# KiCad board N2360.kicad_pcb (continued)
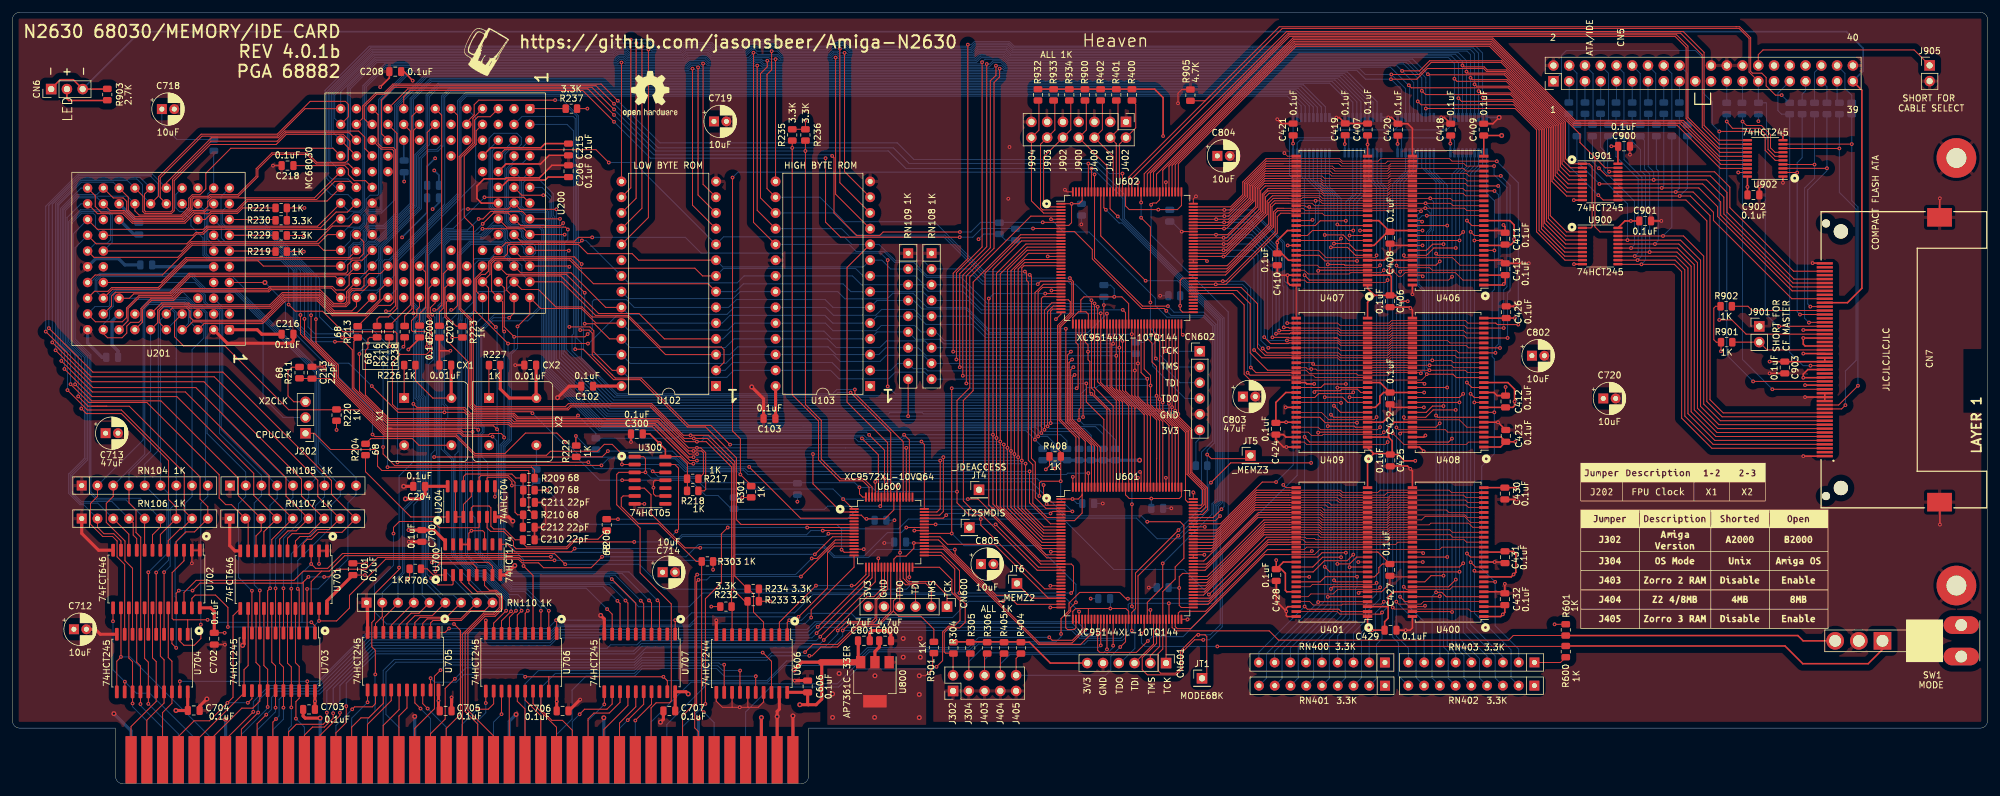
[diagram p0: board, top side]
## Routing (per net, layer and track width the routed paths; a pad name or vN(x,y) marks a point on that pad's centre or on a via; arc(x,y) is an arc through that point) (continued)
A3: length 281.9
  Top w0.15: v1(48.92,74.95) 48.92,71.16 52.52,67.56 52.52,65.5 60.29,57.74 77.56,57.74 v1(78.12,57.17) ; U102.8 111.24,81.93 110,83.18 91.58,83.18 90.01,84.74 77.68,84.74 76.98,84.04 76.98,82.18 U200.47 76.75,80 76.75,74.85 v1(77.92,73.68) ; v1(96.6,33) 100.48,29.13 U707.6 ; v1(174.92,76.95) U602.45 174.92,64.85 177.92,61.85 U601.130
  Bottom w0.15: U102.8 114.6,83.12 135.91,83.12 137.1,81.93 U103.8 145.5,81.93 146.92,80.51 RN108.3 153.09,80.51 156.65,76.95 v1(174.92,76.95) ; v1(77.92,73.68) 78.12,73.48 v1(78.12,57.17) 78.35,56.94 78.35,35.19 80.15,33.39 96.22,33.39 v1(96.6,33) ; U201.49 33.88,92.47 33.88,90.41 34.37,89.93 40.74,89.93 48.92,81.75 v1(48.92,74.95)
A4: length 280.6
  Top w0.15: v1(46.42,75.63) 46.42,72.55 51.73,67.24 51.73,65.15 60.05,56.83 72.22,56.83 72.78,56.27 76.77,56.27 77,56.5 78.77,56.5 79.25,56.03 v1(79.25,55.85) ; U601.129 178.42,61.72 175.42,64.72 U602.46 v1(175.42,75.9) ; U102.7 112.13,80.67 93.65,80.67 89.84,84.48 77.79,84.48 77.24,83.94 77.24,79.51 U200.39 79.01,77.74 79.01,73.21 v1(79.27,72.95) ; U707.5 101.75,29.05 v1(101.27,29.53)
  Bottom w0.15: U102.7 116.56,79.39 117.82,80.65 133.89,80.65 135.15,79.39 U103.7 146.73,79.39 RN108.4 154.09,77.97 156.16,75.9 v1(175.42,75.9) ; v1(101.27,29.53) 97.16,33.65 80.26,33.65 78.61,35.3 78.61,54.67 79.25,55.31 79.25,72.93 v1(79.27,72.95) ; v1(46.42,75.63) 46.42,82.78 42.02,87.18 33.75,87.18 32.44,88.49
A5: length 215.3
  Top w0.15: U200.38 79.27,80.02 79.27,73.7 v1(80.87,72.1) 92.27,72.1 v1(92.71,72.54) ; v1(176.42,75.85) U602.48 176.42,64.09 178.92,61.59 U601.128 ; v1(103.97,29.57) 104.29,29.25 U707.3
  Bottom w0.15: v1(92.71,72.54) 93.47,73.3 93.47,77.8 93.77,78.1 98.97,78.1 100.22,76.85 U102.6 115.44,76.85 116.69,78.11 131,78.11 132.25,76.85 U103.6 139.37,77.97 RN109.4 145.26,77.97 146.64,76.59 153.71,76.59 157.51,72.79 173.36,72.79 v1(176.42,75.85) ; v1(80.87,72.1) 80.87,70.1 80.18,69.41 80.18,55.52 79.13,54.46 79.13,35.51 80.48,34.16 99.38,34.16 v1(103.97,29.57)
A6: length 212.9
  Top w0.15: U601.126 179.92,60.95 176.92,63.95 v1(176.92,71.98) U602.49 ; U707.4 103.02,29.15 v1(102.61,29.56) ; v1(92.76,71.01) v1(79.88,71.01) 74.57,76.33 74.57,81.51 75.77,82.72 U200.46
  Bottom w0.15: v1(79.88,71.01) 79.88,55.58 78.87,54.57 78.87,35.41 80.37,33.9 98.27,33.9 v1(102.61,29.56) ; 176.91,71.99 156.83,71.99 154.72,74.1 147.26,74.1 145.94,75.43 RN109.5 139.37,75.43 U103.5 132.23,74.31 130.98,75.57 115.65,75.57 114.4,74.31 U102.5 100.26,74.31 99.07,75.5 97.37,75.5 92.88,71.01 v1(92.76,71.01)
A7: length 213.3
  Top w0.15: U102.4 105.08,71.77 100.99,75.87 94.48,75.87 88.42,81.93 79.96,81.93 79.67,81.64 79.67,79.62 U200.26 80.85,75.96 v1(80.07,75.18) ; U707.7 99.21,29.15 v1(98.82,29.55) ; U602.50 v1(177.42,70.98) 177.26,70.98 177.2,70.92 177.2,64.04 180.42,60.82 U601.125
  Bottom w0.15: U102.4 114.53,71.77 115.78,73.03 130.8,73.03 132.05,71.77 U103.4 139.37,72.89 RN109.6 145.57,71.7 149.44,71.7 150.17,70.98 v1(177.42,70.98) ; v1(98.82,29.55) 96.23,32.13 80.65,32.13 75.39,37.39 75.39,56.46 75.75,56.82 75.75,57.41 75.39,57.77 75.38,72.11 75.38,73.05 77.52,75.18 v1(80.07,75.18)
A7M: length 65.4
  Top w0.15: U600.32 149.42,34.92 151.42,32.92 151.42,30.82 152.73,29.51 152.73,26.34 151.8,25.4 151.42,25.4 151.42,25.4 150.86,25.4 149.93,24.47 149.93,19.84 148.94,18.85 v1(148.94,18.84)
  Bottom w0.15: v1(148.94,18.84) 148.59,18.49 136.08,18.49 133.18,15.59 122.21,15.59 118.18,11.56 CN700.7
A8: length 201.7
  Top w0.15: U200.25 82.1,79.73 84.8,79.73 87.6,76.93 91.81,76.93 93.44,75.3 99.2,75.3 105.27,69.23 U102.3 ; U601.124 180.92,60.54 181,60.61 177.92,63.69 v1(177.92,69.04) U602.51 ; U706.2 v1(86.46,27.89)
  Bottom w0.15: U102.3 115.64,69.23 116.89,70.49 131.49,70.49 132.74,69.23 U103.3 139.66,69.23 140.78,70.35 145.99,70.35 147.28,69.05 177.93,69.05 ; v1(86.46,27.89) 86.42,27.89 83.04,31.27 80.37,31.27 76.44,35.2 75.07,35.2 73.33,36.94 73.33,53.04 73.33,73 73.33,74.93 74.79,76.39 74.79,78.97 75.21,79.39 79.26,79.39 U200.25
A9: length 210.5
  Top w0.15: v1(92.24,79.21) 89.27,82.18 79.65,82.18 U200.37 ; U102.25 96.23,71.77 93.79,74.21 v1(92.24,74.21) ; U706.3 v1(85.19,27.89) ; U601.121 182.42,59.59 182.39,59.59 178.42,63.56 v1(178.42,70.35) U602.52
  Bottom w0.15: v1(178.42,70.35) 178.42,70.36 150.65,70.36 150.65,70.35 RN108.7 147.06,71.44 140.89,71.44 139.81,70.36 132.81,70.36 131.39,71.77 U103.25 116.33,71.77 114.91,70.36 99.58,70.36 U102.25 ; v1(85.19,27.89) 85.19,28.39 82.57,31.01 80.27,31.01 76.33,34.94 74.93,34.94 73.03,36.84 73.03,75 74.53,76.5 74.53,83.86 75.14,84.47 77.37,84.47 U200.37 ; v1(92.24,79.21) v1(92.24,74.21)
A10: length 185.1
  Top w0.15: v1(81.41,73.77) 83.39,75.75 U200.13 85.16,76.67 91.7,76.67 94.06,74.31 U102.24 ; U601.120 182.92,59.46 178.96,63.42 178.92,63.42 v1(178.92,71.45) U602.53 ; v1(82.38,35.12) 83.92,33.59 U706.4
  Bottom w0.15: 148.83,72.89 150.25,71.48 178.9,71.48 v1(178.92,71.45) ; v1(82.38,35.12) 82.38,36.17 79.39,39.17 79.39,54.35 80.44,55.41 80.44,69.31 81.41,70.28 v1(81.41,73.77) ; RN108.6 146.46,72.89 145.42,73.93 140.05,73.93 139.2,73.08 132.26,73.08 131.04,74.31 U103.24 116.43,74.31 115.31,73.19 99.29,73.19 U102.24
A11: length 209.3
  Top w0.15: U601.119 183.42,59.33 179.42,63.33 U602.54 179.42,76 v1(178.97,76.45) ; v1(83.07,27.9) 82.65,27.48 U706.5 ; v1(91.8,87.65) 91.43,87.29 79.54,87.29 U200.36
  Bottom w0.15: v1(83.07,27.9) 83.07,28.9 81.49,30.49 80.05,30.49 76.12,34.43 74.65,34.43 72.44,36.64 72.44,74.76 72.47,74.8 72.47,75.9 74.27,77.7 74.27,84.43 74.57,84.72 76.98,84.72 U200.36 ; v1(178.97,76.45) 156.16,76.45 153.16,79.45 147.59,79.45 146.54,80.51 RN109.3 136.83,80.51 135.4,81.93 U103.21 117.94,81.93 116.82,80.81 99.29,80.81 U102.21 92.45,87.65 v1(91.8,87.65)
A12: length 211.9
  Top w0.15: U706.6 81.38,27.21 v1(82.07,27.9) ; U102.23 95.62,76.85 90.03,82.44 81.93,82.44 U200.24 ; U601.117 184.42,52.42 184.43,52.43 184.43,58.68 180.42,62.69 U602.56
  Bottom w0.15: v1(82.07,27.9) 82.07,28.1 76.01,34.17 74.55,34.17 72.14,36.58 72.14,74.8 72.19,74.86 72.19,85.3 73.9,87.01 78.82,87.01 79.26,86.57 79.26,85.11 U200.24 ; U102.23 99.29,75.73 115.18,75.73 116.3,76.85 U103.23 131.06,76.85 132.33,75.58 139.16,75.58 140.1,76.52 145.3,76.52 146.39,75.43 RN108.5 154.2,75.43 157.11,72.53 v1(180.43,72.53)
A13: length 220.5
  Top w0.15: U601.116 184.92,58.56 180.92,62.56 v1(180.92,66.68) U602.57 ; U102.2 114.69,67.98 114.69,70.04 114.26,70.47 104.4,70.47 99.31,75.56 93.99,75.56 88.57,80.98 U200.12 ; U706.7 80.11,26.84 v1(81.17,27.9)
  Bottom w0.15: v1(81.17,27.9) 81.17,28.63 75.9,33.91 74.44,33.91 71.33,37.01 71.33,53.06 71.84,53.57 71.84,75 71.93,75.1 71.93,85.41 73.79,87.26 78.93,87.26 79.52,86.67 79.52,85.22 80.27,84.47 81.25,84.47 82.12,83.59 82.12,82.25 U200.12 ; U102.2 114.86,66.69 116.12,67.95 132.12,67.95 133.37,66.69 U103.2 141.56,66.69 142.68,67.81 RN109.8 145.23,66.96 147.2,66.96 147.56,66.6 180.85,66.6 v1(180.92,66.68)
A14: length 229.4
  Top w0.15: U706.9 77.57,25.9 v1(79.57,27.9) ; U601.115 185.42,58.43 181.42,62.43 U602.58 ; U200.23 81.91,85 90.59,85 v1(91.75,83.85)
  Bottom w0.15: v1(91.75,83.85) 91.75,73.71 92.05,73.4 92.05,70.08 92.9,69.23 U102.26 99.58,67.82 114.99,67.82 116.41,69.23 U103.26 132.33,69.23 133.43,68.13 139.86,68.13 140.84,69.11 146.85,69.11 RN108.8 v1(181.42,67.81) ; v1(79.57,27.9) 79.57,29.5 75.69,33.39 74.22,33.39 70.81,36.8 70.81,52.31 69.13,53.99 69.13,76.92 69.69,77.49 69.69,78.92 69.7,78.93 69.7,86.88 70.6,87.78 75.8,87.78 77.6,89.58 78.67,89.58 79.26,88.99 79.26,87.67 80.03,86.9 80.03,86.89 U200.23
A15: length 228.6
  Top w0.15: v1(89.77,83.4) 89.66,83.52 U200.11 ; v1(80.37,27.8) 78.84,26.27 U706.8 ; U602.59 181.92,66.33 v1(182.92,65.33) 182.92,61.3 186.42,57.8 U601.113 ; v1(89.76,73.7) 93.08,73.7 93.72,73.07 93.72,69.66 96.68,66.69 U102.27
  Bottom w0.15: U102.27 99.29,65.57 115.15,65.57 116.28,66.69 U103.27 131.87,66.69 133.24,65.33 141.24,65.33 142.32,66.4 147.02,66.4 RN108.9 182.87,65.27 v1(182.92,65.33) ; v1(89.77,83.4) 89.53,83.16 89.53,73.93 v1(89.76,73.7) ; v1(80.37,27.8) 80.37,29.07 75.8,33.65 74.33,33.65 71.07,36.91 71.07,52.42 69.63,53.86 69.63,58.46 70.17,59 70.17,60.8 69.65,61.33 69.65,73.8 71.67,75.83 71.67,85.51 73.69,87.52 79.04,87.52 79.78,86.78 79.78,85.33 80.38,84.73 82.18,84.73 U200.11
A16: length 253.7
  Top w0.15: RN110.9 76.08,27.89 73.91,27.89 72.34,26.33 67.8,26.33 67.41,25.94 U705.2 ; v1(93.45,88.15) 91.22,88.15 90.62,87.55 81.91,87.55 U200.22 ; U601.112 186.92,57.73 184.39,60.26 184.32,60.26 183.45,61.13 v1(183.45,64.24) 183.45,65.87 182.42,66.9 U602.60 ; v1(141.08,64.1) v1(141.08,84.48)
  Bottom w0.15: RN110.9 68.87,37.73 68.87,77.03 69.43,77.6 69.43,86.98 70.5,88.04 75.7,88.04 77.49,89.84 78.78,89.84 79.52,89.1 79.52,87.78 80.24,87.05 81.87,87.05 82.42,86.5 82.42,85.69 83,85.11 83.81,85.11 84.31,85.62 84.31,85.64 84.34,85.67 84.34,86.69 83.89,87.13 82.69,87.13 82.11,87.71 81.74,87.71 U200.22 ; v1(93.45,88.15) 108.47,88.15 111.01,85.61 139.95,85.61 v1(141.08,84.48) ; v1(141.08,64.1) 142.29,62.9 172.24,62.9 173.24,63.9 174.71,63.9 175.06,64.25 183.45,64.25
A17: length 239.1
  Top w0.15: U602.61 182.92,71.85 183.68,71.09 183.68,68.04 184.42,67.3 v1(184.42,62.58) 184.42,60.6 187.42,57.6 U601.111 ; RN110.8 72.24,26.58 66.86,26.58 66.14,25.87 U705.3 ; v1(89.69,86.02) 89.64,86.06 U200.10
  Bottom w0.15: v1(89.69,86.02) 89.27,85.6 89.27,70.13 97.02,62.38 184.22,62.38 v1(184.42,62.58) ; RN110.8 68.61,35.45 68.61,77.14 69.17,77.7 69.17,87.09 70.39,88.3 75.59,88.3 77.38,90.1 78.89,90.1 79.78,89.21 79.78,88 80.32,87.45 82,87.45 U200.10
A18: length 242.6
  Top w0.15: U705.4 64.87,26 65.71,26.84 69.95,26.84 RN110.7 ; U602.64 184.42,71.88 184.92,71.38 v1(184.92,62.05) 184.92,60.46 187.92,57.46 U601.110 ; v1(89.52,89.42) 89.14,89.8 79.65,89.8 U200.34
  Bottom w0.15: v1(89.52,89.42) 89.52,87.78 89.01,87.27 89.01,69.75 96.85,61.91 184.78,61.91 v1(184.92,62.05) ; 78.06,91.14 75.48,88.56 70.28,88.56 67.11,85.39 67.11,76.78 66.57,76.24 66.57,74.51 66.19,74.13 66.19,62.77 66.57,62.39 66.57,33.2 69.32,30.45 71.07,30.45 RN110.7
A19: length 242.1
  Top w0.15: v1(89.02,88.6) U200.9 82.45,89.55 v1(75.77,89.55) ; U602.66 v1(185.42,61.53) 185.42,60.33 189.07,56.68 189.07,45.8 189.45,45.43 U601.107 ; U705.5 63.6,25.83 64.87,27.1 67.67,27.1 RN110.6
  Bottom w0.15: RN110.6 66.31,32.67 66.31,62.29 65.93,62.66 65.93,74.24 66.31,74.61 66.31,76.35 66.85,76.89 66.85,85.5 70.17,88.82 75.04,88.82 v1(75.77,89.55) ; v1(185.42,61.53) 185.36,61.46 96.67,61.46 88.76,69.37 88.76,88.33 v1(89.02,88.6)
A20: length 246.6
  Top w0.15: U601.106 191.6,44.93 191.83,45.16 191.83,47.4 189.33,49.9 189.33,56.79 186.42,59.7 v1(186.42,61.3) U602.68 ; RN110.5 65.53,27.5 64.27,27.5 62.33,25.56 U705.6 ; v1(88.77,90.46) 88.37,90.06 81.93,90.06 U200.21 79.91,92.09 77.56,92.09 v1(75.8,90.33)
  Bottom w0.15: v1(186.42,61.3) 186.13,61.01 96.48,61.01 88.5,69 88.5,89.58 88.77,89.85 v1(88.77,90.46) ; v1(75.8,90.33) 74.55,89.08 70.07,89.08 66.57,85.59 66.57,76.98 66.05,76.45 66.05,74.72 65.67,74.34 65.67,62.54 66.05,62.16 66.05,30.39 RN110.5
A21: length 247.4
  Top w0.15: v1(88.26,91.14) U200.8 82.19,92.34 77.07,92.34 75.85,91.13 v1(75.15,91.13) ; U705.7 61.06,25.57 RN110.4 ; U602.69 v1(186.92,60.75) 186.84,60.66 186.84,59.65 189.59,56.9 189.59,50.01 192.09,47.51 192.09,45.01 191.5,44.42 190.95,44.42
  Bottom w0.15: RN110.4 64.69,45.02 65.79,46.12 65.79,62.05 65.41,62.43 65.41,74.45 65.79,74.83 65.79,76.49 64.67,77.61 64.67,84.05 69.96,89.34 73.36,89.34 v1(75.15,91.13) ; v1(88.26,91.14) 88.17,91.05 88.17,68.68 96.3,60.56 186.73,60.56 v1(186.92,60.75)
A22: length 252.5
  Top w0.15: U602.70 v1(187.42,60.18) 187.38,60.14 187.38,59.47 189.85,57 189.85,50.12 192.35,47.62 192.35,44.65 191.63,43.93 U601.104 ; v1(87.67,92.68) 81.85,92.68 U200.20 79.91,92.73 v1(73.43,92.73) ; RN110.2 59.61,26.94 58.52,25.85 U705.9
  Bottom w0.15: v1(187.42,60.18) 186.49,60.18 186.42,60.11 96.11,60.11 87.67,68.55 v1(87.67,92.68) ; v1(73.43,92.73) 72.62,92.73 64.15,84.26 64.15,82.95 64.15,77.4 65.23,76.32 65.23,75.29 64.89,74.95 64.89,62.18 65.23,61.85 65.23,46.56 62.87,44.2 62.87,34.1 59.61,30.84 RN110.2
A23: length 262
  Top w0.15: U602.71 v1(187.92,59.65) 187.92,59.3 190.11,57.11 190.11,50.23 192.61,47.72 192.61,44.21 191.83,43.43 U601.103 ; 62.15,29.08 59.79,26.72 U705.8 ; U200.7 82.45,94.63 76.1,94.63 v1(76.09,94.62)
  Bottom w0.15: v1(76.09,94.62) 71.07,89.6 69.85,89.6 64.41,84.16 64.41,77.5 65.53,76.38 65.53,74.94 65.15,74.56 65.15,62.32 65.53,61.94 65.53,46.49 63.13,44.1 63.13,34 62.15,33.02 RN110.3 ; U200.7 82.32,94.75 82.32,96.95 82.72,97.35 85.02,97.35 87.17,95.2 87.17,91.72 87.18,91.72 87.41,91.49 87.41,68.17 95.93,59.66 141.22,59.66 141.41,59.85 146.67,59.85 146.86,59.66 187.92,59.66 v1(187.92,59.65)
A24: length 141.1
  Top w0.15: RN109.9 v1(144.37,59.3) ; v1(172.57,59.15) 172.57,72.13 172.42,72.28 U602.40
  Bottom w0.15: U200.6 85.36,96.22 86.91,94.66 86.91,91.51 87.16,91.27 87.16,67.92 95.77,59.3 v1(144.37,59.3) 172.42,59.3 v1(172.57,59.15)
A25: length 146.5
  Top w0.15: U200.19 82.12,94.95 v1(85.57,94.95) ; U602.39 171.92,72.3 172.2,72.02 172.2,60.65 171.92,60.37 v1(171.92,58.68)
  Bottom w0.15: v1(85.57,94.95) 86.03,94.95 86.66,94.33 86.66,91.37 86.68,91.37 86.9,91.16 86.9,67.65 95.81,58.74 171.87,58.74 v1(171.92,58.68) 172.7,57.9 175.37,57.9 177.77,55.5 R106.1
A26: length 152
  Top w0.15: U602.35 167.67,76.58 167.35,76.25 v1(167.35,58.18)
  Bottom w0.15: R105.1 175.82,56.35 174.57,57.6 172.07,57.6 171.5,58.18 v1(167.35,58.18) 167.24,58.29 95.39,58.29 86.64,67.04 86.64,90.93 86.4,91.18 86.4,92.33 86,92.73 82.57,92.73 82.06,93.24 82.06,97.42 U200.5
A27: length 151.3
  Top w0.15: U602.34 167.77,77.08 166.85,76.15 v1(166.85,57.65)
  Bottom w0.15: U200.18 81.8,97.81 81.8,93.14 82.46,92.47 85.89,92.47 86.14,92.22 86.14,91.07 86.38,90.83 86.38,66.88 95.23,58.03 166.3,58.03 166.67,57.65 v1(166.85,57.65) 167.2,57.3 172.77,57.3 173.87,56.2 R104.1
A28: length 157.1
  Top w0.15: U602.33 167.52,77.58 166.35,76.4 v1(166.35,57.1)
  Bottom w0.15: R103.1 171.92,56.35 171.47,56.8 166.65,56.8 v1(166.35,57.1) 165.7,57.75 127.43,57.75 127.41,57.77 95.07,57.77 91.79,61.04 91.79,61.04 91.79,61.05 86.12,66.72 86.12,66.77 86.12,90.69 85.88,90.93 85.88,92.12 85.78,92.21 82.36,92.21 81.84,92.73 80.4,92.73 79.91,93.22 79.91,99.15 80.86,100.1 82.2,100.1 U200.4
A29: length 155.3
  Top w0.15: U602.31 166.12,78.58 165.85,78.3 v1(165.85,56.58)
  Bottom w0.15: U200.17 80.85,100.46 79.65,99.26 79.65,93.11 80.29,92.47 81.73,92.47 82.45,91.75 82.45,90.75 83,90.19 85.66,90.19 85.86,90 85.86,66.55 88.72,63.69 88.72,63.68 94.91,57.49 164.94,57.49 v1(165.85,56.58) 166.12,56.3 168.97,56.3 169.97,55.3 R102.1
A30: length 160.2
  Top w0.15: v1(165.32,56.03) 165.32,79.36 166.04,80.08 U602.28
  Bottom w0.15: R101.1 168.02,54.85 166.85,56.03 v1(165.32,56.03) 164.12,57.23 94.74,57.23 86.74,65.24 86.74,65.25 85.6,66.39 85.6,89.39 85.05,89.93 82.89,89.93 82.18,90.65 82.18,91.66 81.62,92.21 80.18,92.21 79.39,93.01 79.39,101.57 80.26,102.44 82,102.44 U200.3
A31: length 160.8
  Top w0.15: U602.27 166.17,80.58 164.82,79.23 v1(164.82,55.5)
  Bottom w0.15: U200.16 79.6,102.58 77.8,102.58 77.35,102.13 77.35,93.2 77.82,92.73 79.29,92.73 79.91,92.12 79.91,90.75 80.46,90.19 82.27,90.19 82.79,89.67 84.95,89.67 85.34,89.28 85.34,66.21 94.58,56.97 163.36,56.97 v1(164.82,55.5) 166.07,54.25
AADIR: length 112.6
  Top w0.15: U601.39 v1(171.92,27.76) ; v1(70.37,25.04) 69.74,24.4 U705.1 ; U706.1 87.73,26.28 v1(87.63,26.37) ; U707.1 v1(106.83,26.38)
  Bottom w0.15: v1(171.92,27.76) 169.44,30.24 152.22,30.24 151.97,30.5 129.02,30.5 126.07,27.55 109.48,27.55 108.3,26.37 v1(87.63,26.37) 86.3,25.04 v1(70.37,25.04)
ADDIR: length 154.3
  Top w0.15: 28.23,26.43 28.26,26.41 U704.1 ; 28.23,26.43 v1(31.45,26.43) ; 28.23,26.43 25.97,26.43 25.74,26.66 25.74,34.04 27.66,35.96 U702.3 ; U600.31 v1(144.57,33.31) ; v1(48.19,26.03) 48.77,25.45 U703.1 ; v1(89.1,35.4) 87.37,37.13 53.2,37.13 50.81,34.74 48.87,34.74 v1(48.16,35.45) U701.3
  Bottom w0.15: v1(89.1,35.4) 101,35.4 105.02,31.38 144.13,31.38 144.57,31.82 v1(144.57,33.31) ; 46.66,26.03 v1(48.19,26.03) ; 46.66,26.03 32.32,26.03 31.92,26.43 v1(31.45,26.43) ; 46.66,26.03 46.68,26.05 46.68,33.98 v1(48.16,35.45)
AFC0: length 46.4
  Top w0.15: v1(119.82,17.33) 119.81,17.32 U606.16
  Bottom w0.15: v1(119.82,17.33) 114.76,17.33 113.52,18.57 101.51,18.57 100.28,17.34 92.46,17.34 90.21,15.08 90.21,10.42 87.7,7.91 CN700.31
AFC1: length 49.1
  Top w0.15: v1(117.29,18.24) 117.27,18.22 U606.14
  Bottom w0.15: v1(117.29,18.24) 114.48,18.24 113.7,19.02 101.5,19.02 100.27,17.79 87.51,17.79 85.16,15.44 CN700.33
AFC2: length 50.3
  Top w0.15: U606.12 v1(114.73,19.2)
  Bottom w0.15: CN700.35 82.62,16.1 84.77,18.24 100.23,18.24 101.47,19.47 113.89,19.47 114.16,19.2 v1(114.73,19.2)
AR_W: length 114.9
  Top w0.15: CN700.68 41.98,9.92 v1(42.49,10.43) ; v1(129.8,25.3) 138.07,33.58 U600.18
  Bottom w0.15: v1(129.8,25.3) 128.47,23.97 87.9,23.97 86.67,22.74 57.8,22.74 49.53,14.47 43.87,14.47 42.98,13.58 42.98,10.92 v1(42.49,10.43)
B2000: length 27.3
  Top w0.15: U600.33 149.7,36.83 151.89,34.64 151.89,30.72 153.57,29.04 153.57,26.04 152.67,25.14 150.97,25.14 150.19,24.36 150.19,21.26 150.41,21.05 151.63,21.05 ; CJ1.2 151.62,20.94 R304.2
BANK0: length 102.2
  Top w0.11: 205.89,96.05 210.8,96.05 211.19,95.66 U407.20 221.65,95.66 222.05,96.06 233.79,96.06 234.19,95.66 U406.20 ; 237.27,69.52 233.1,69.52 232.71,69.91 222.15,69.91 221.75,69.52 218.54,69.52
  Top w0.15: v1(238.89,95.64) 238.87,95.66 U406.20 ; U408.20 v1(239.04,69.52) ; U602.94 195.72,86.58 201.46,92.33 201.46,95.13 202.38,96.05 205.89,96.05
  Bottom w0.15: v1(239.04,69.52) 239.04,70.44 239.51,70.92 239.51,95.04 238.92,95.64 v1(238.89,95.64)
BANK1: length 103.4
  Top w0.11: 205.91,96.85 210.91,96.85 211.3,96.46 U407.21 221.74,96.46 222.13,96.85 234.19,96.85 234.59,96.46 U406.21 ; 237.27,70.32 234.69,70.32 234.3,70.71 222.24,70.71 221.84,70.32 218.54,70.32
  Top w0.15: U406.21 v1(239.48,96.46) ; U602.96 195.85,87.58 200.94,92.67 200.94,96.01 201.78,96.85 205.91,96.85 ; U408.21 239.76,70.32 v1(239.77,70.3)
  Bottom w0.15: v1(239.48,96.46) 239.77,96.16 v1(239.77,70.3)
CDAC: length 60.9
  Top w0.15: U600.7 v1(128.1,41.33) ; v1(115.3,41.33) 114.27,40.3 114.27,32.4 111.69,29.82 v1(111.69,12.85)
  Bottom w0.15: CN700.15 108.02,9.18 v1(111.69,12.85) ; v1(128.1,41.33) v1(115.3,41.33)
CLK7: length 92.9
  Top w0.15: v1(171.54,63.8) 171.77,64.03 171.77,70.81 171.42,71.16 U602.38 ; U601.38 171.42,25.15 171.12,24.85 170.07,24.85 169.77,25.15 169.77,27.01 170.57,27.81 170.57,28.4 v1(171.42,29.25) ; 147.03,40.37 v1(151.4,40.37) v1(151.4,63.8)
  Bottom w0.15: v1(171.42,29.25) 171.42,32.15 165.17,38.4 153.37,38.4 v1(151.4,40.37) ; v1(171.54,63.8) v1(151.4,63.8)
CONFIGED: length 79.8
  Top w0.15: U300.5 101.86,47.68 102.93,46.61 102.93,43.54 108.43,38.05 v1(110.87,38.05) ; v1(151.9,37.77) 151.94,37.73 151.94,37.03 158.59,30.39 160.46,30.39 161.93,28.93 U601.35
  Bottom w0.15: v1(110.87,38.05) 130.84,38.05 132.41,36.47 137.97,36.47 139.27,37.77 v1(151.9,37.77)
CPUCLK_A: length 177.7
  Top w0.11: 225.59,39.76 222.1,39.76 221.69,39.36 210.1,39.36 209.91,39.55 208.56,39.55 208.35,39.76 206.86,39.76
  Top w0.15: v1(133.65,37.75) 134.07,37.33 U600.15 ; R207.1 v1(86.23,47.36) ; v1(192.85,30.51) 202.1,39.76 U401.38 ; U601.30 166.37,31.43 156.08,41.71 v1(156.08,42.69)
  Bottom w0.15: v1(86.23,47.36) 91.75,41.85 132.85,41.85 133.65,41.05 ; 133.65,41.05 133.65,41.11 142.82,41.11 144.4,42.69 v1(156.08,42.69) 169.38,42.69 177.52,34.55 188.81,34.55 v1(192.85,30.51) ; 133.65,41.05 v1(133.65,37.75)
CPUCLK_B: length 249.5
  Top w0.11: U407.38 208.34,93.26 208.54,93.06 v1(209.02,93.06) 209.22,92.86 221.77,92.86 222.17,93.26 U406.38 ; 225.77,67.12 222.27,67.12 221.87,66.71 210.28,66.71 210.09,66.9 v1(209.35,66.9) 208.74,66.9 208.52,67.12 207.04,67.12
  Top w0.15: v1(157.37,78.28) 157.37,44.97 v1(158.07,44.28) ; v1(193.18,48.57) 196.37,51.76 v1(209.33,51.76) ; R206.2 97.6,42.68 v1(97.6,42.67) ; U602.30 v1(166.47,79.08)
  Bottom w0.15: v1(193.18,48.57) 192.85,48.24 192.85,44.17 188.2,39.52 184.51,39.52 181.17,42.85 169.63,42.85 168.21,44.28 v1(158.07,44.28) 136.14,44.28 134.53,42.67 v1(97.6,42.67) ; v1(209.02,93.06) 209,93.04 209,67.25 v1(209.35,66.9) 209.33,66.88 v1(209.33,51.76) ; v1(166.47,79.08) 158.17,79.08 v1(157.37,78.28)
D0: length 279.9
  Top w0.15: 59.9,78.44 56.97,75.5 51.55,75.5 49.16,77.89 43.98,77.89 40.33,74.24 30.89,74.24 U201.3 ; RN104.2 13.71,46.35 12.59,45.22 12.59,41.86 14.57,39.88 16.14,39.88 16.87,39.15 16.87,36.59 18.1,35.37 U704.9
  Bottom w0.15: U421.2 207.08,109.35 205.47,110.95 73.22,110.95 72.27,110 72.27,109.09 72.29,109.08 72.29,95.04 61.87,84.62 61.87,79.77 U200.89 ; U201.3 28.65,74.5 28.65,76.66 27.69,77.61 21.93,77.61 21.07,76.76 21.07,55.46 RN104.2
D1: length 279.8
  Top w0.15: U704.8 19.37,34.75 18.14,35.98 18.14,39.15 15.13,42.17 15.13,45.22 16.25,46.35 RN104.3 ; 27.76,73.25 29.03,74.52 40.24,74.52 43.93,78.2 49.22,78.2 51.66,75.76 56.86,75.76 57.49,76.39 59.23,78.13 59.23,79.67 U200.88
  Bottom w0.15: U201.4 28.37,74.26 28.37,76.57 27.62,77.32 22,77.32 21.33,76.65 21.33,53.18 RN104.3 ; U421.3 207.73,109.37 205.88,111.21 73.12,111.21 72.01,110.11 72.01,95.14 61.61,84.73 61.61,82.05 U200.88
D2: length 272.1
  Top w0.15: U200.102 55.58,76.02 51.77,76.02 49.33,78.46 43.82,78.46 40.13,74.78 29.1,74.78 28.62,75.25 28.62,76.25 28.12,76.75 25.78,76.75 U201.15 ; U704.5 v1(23.18,34.07)
  Bottom w0.15: v1(23.18,34.07) 25.17,36.06 25.17,46.81 RN104.6 ; 23.87,48.1 23.87,74.84 U201.15 ; U421.5 209.03,109.36 206.65,111.73 70.65,111.73 69.67,110.75 69.67,93.53 60.69,84.54 59.99,84.54 59.59,84.14 59.59,80.03 U200.102
D3: length 285.4
  Top w0.15: U200.115 55.45,77.02 54.72,76.28 51.88,76.28 49.44,78.72 43.71,78.72 41.73,76.74 28.51,76.74 28.23,77.01 24.39,77.01 23.67,76.29 23.67,74.4 U201.5 ; U704.6 v1(21.91,34.11)
  Bottom w0.15: U421.6 209.68,109.2 206.89,111.99 70.55,111.99 69.41,110.86 69.41,102.88 68.59,102.06 67.09,102.06 65.92,100.89 65.92,92.79 59.57,86.44 59.57,84.5 59.33,84.25 59.33,80.14 58.82,79.63 56.64,79.63 U200.115 ; v1(21.91,34.11) 24.91,37.11 24.91,44.53 21.33,48.1 21.33,51.56 23.51,53.74 23.51,76.04 24.27,76.8 25.34,76.8 26.15,75.98 26.15,74.58 U201.5
D4: length 274.3
  Top w0.15: 20.68,24.15 20.68,39.77 19.92,40.54 19.92,44.17 18.79,45.3 RN104.4 ; U201.6 23.41,74.38 23.41,76.4 24.28,77.27 28.34,77.27 28.62,77 41.62,77 43.61,78.99 49.55,78.99 51.21,77.32 51.22,77.32 51.57,76.97 53.78,76.97 54.38,77.57 54.38,79.17 54.83,79.62 56.63,79.62 U200.101
  Bottom w0.15: U200.101 59.07,82.05 59.07,84.36 59.31,84.6 59.31,86.54 65.66,92.89 65.66,101 66.98,102.32 68.38,102.32 69.16,103.1 69.16,110.97 70.44,112.25 207.23,112.25 210.33,109.15 U421.7 ; U201.6 22.28,53.67 18.79,50.19 RN104.4
D5: length 273.6
  Top w0.15: U201.16 24.04,77.55 28.43,77.55 28.73,77.26 41.51,77.26 43.5,79.25 49.67,79.25 51.68,77.23 53.67,77.23 54.12,77.68 54.12,79.28 54.72,79.88 56.18,79.88 56.68,80.37 56.68,81.53 57.47,82.33 59.34,82.33 U200.87 ; U704.4 v1(24.45,34.12)
  Bottom w0.15: U421.4 208.38,109.33 206.23,111.47 73.01,111.47 71.76,110.22 71.76,95.24 60.53,84.02 ; U201.16 23.55,77.06 25.44,77.06 26.41,76.09 26.41,68.58 26.41,68.58 26.41,45.31 25.43,44.32 25.43,35.1 v1(24.45,34.12)
D6: length 306.8
  Top w0.15: U704.3 25.72,22.59 v1(26.4,21.9) ; U201.7 20.97,74.48 20.97,76.55 22.42,77.99 25.98,77.99 27.36,79.37 41.35,79.37 41.7,79.72 49.56,79.72 51.79,77.49 53.57,77.49 53.86,77.79 53.86,79.39 U200.114
  Bottom w0.15: U200.114 56.76,82.29 56.76,86.54 57.49,87.26 58.47,87.26 64.62,93.42 64.62,110.38 67.53,113.29 212.74,113.29 216.06,109.97 U420.3 ; v1(26.4,21.9) 26.4,29.99 26.22,30.17 26.22,38.81 27.83,40.41 27.83,45.22 28.95,46.35 RN104.8 28.95,70.02 30.85,71.92 30.85,73.97 30.25,74.57 29.38,74.57 28.91,75.04 28.91,76.77 27.8,77.87 21.82,77.87 20.81,76.87 20.81,74.32 U201.7
D7: length 302
  Top w0.15: v1(30.37,25.67) 30.38,25.66 30.38,23.41 29.29,22.32 27.65,22.32 26.99,22.99 U704.2 ; U201.8 18.64,74.69 18.64,76.65 20.5,78.51 25.72,78.51 27.09,79.89 41.14,79.89 41.49,80.24 51.57,80.24 52.15,79.65 53.45,79.65 54.27,80.48 54.27,81.97 54.63,82.33 56.82,82.33 56.82,82.35 U200.100
  Bottom w0.15: U201.8 18.49,74.53 18.49,76.73 19.89,78.13 27.95,78.13 29.35,76.74 30.31,76.74 31.11,75.94 31.11,48.49 ; 57.99,83.72 59.06,84.78 59.06,86.65 65.4,93 65.4,101.3 67.2,103.09 67.2,110.85 68.86,112.51 207.67,112.51 210.98,109.2 U421.8 ; 31.49,48.1 31.49,46.35 30.37,45.22 v1(30.37,25.67)
D8: length 317.9
  Top w0.15: U703.8 v1(39.88,31.17) ; 14.66,72.63 15.34,71.95 17.67,71.95 18.43,72.71 18.43,73.83 19.04,74.44 20.36,74.44 20.71,74.79 20.71,76.66 22.31,78.25 25.87,78.25 27.25,79.63 41.24,79.63 41.59,79.98 51.38,79.98 U200.128
  Bottom w0.15: v1(39.88,31.17) 38.98,32.06 38.98,45.29 40.14,46.45 RN105.3 40.14,49.76 33.39,56.52 33.39,76.18 32.77,76.8 30.98,76.8 30.53,77.26 29.56,77.26 27.54,79.28 16.81,79.28 16.25,78.72 16.25,77.01 15.62,76.39 15.62,75.1 14.66,74.14 U201.9 ; U200.128 54.11,78.44 55.37,79.7 56.25,79.7 57.02,80.48 57.02,86.43 57.6,87.01 58.35,87.01 58.35,87 58.57,87 64.88,93.32 64.88,101.51 66.68,103.31 66.68,111.1 68.61,113.03 212.32,113.03 215.41,109.95 U420.2
D9: length 300.1